# Altium PCB Neon-Demon-Earing-revE.PcbDoc
Units mm, origin at the board's own origin, x right, y up, seen from the top; angles counter-clockwise.
Board outline 8.27 x 12.31 mm, 2 copper layers (Top Layer, Bottom Layer); 8 components, 5 nets, 31 pads, 0 vias.
Unrouted connection lines stored in the file: 2.
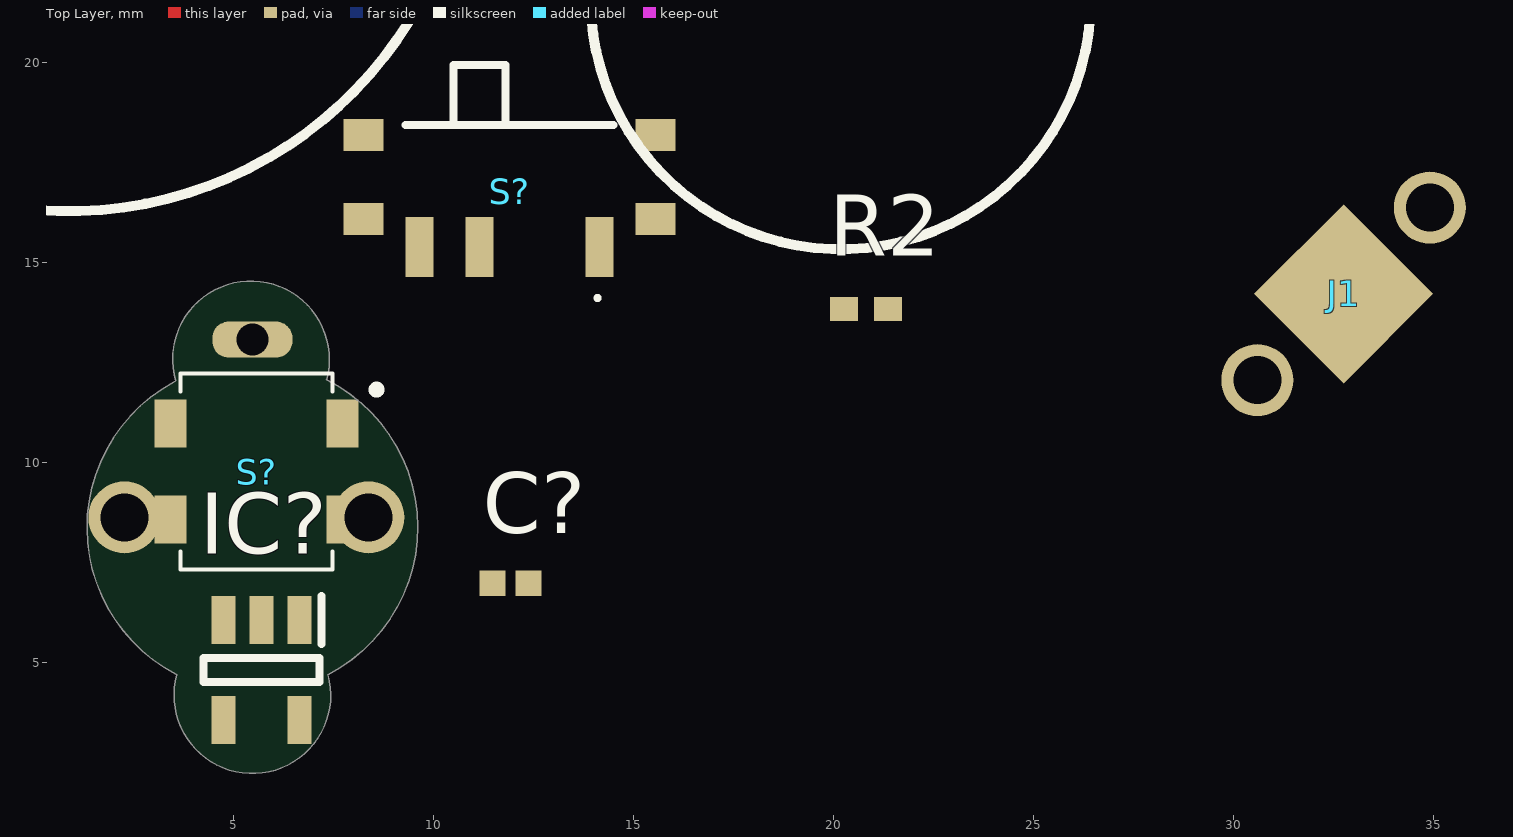
[diagram p0: Top Layer view]
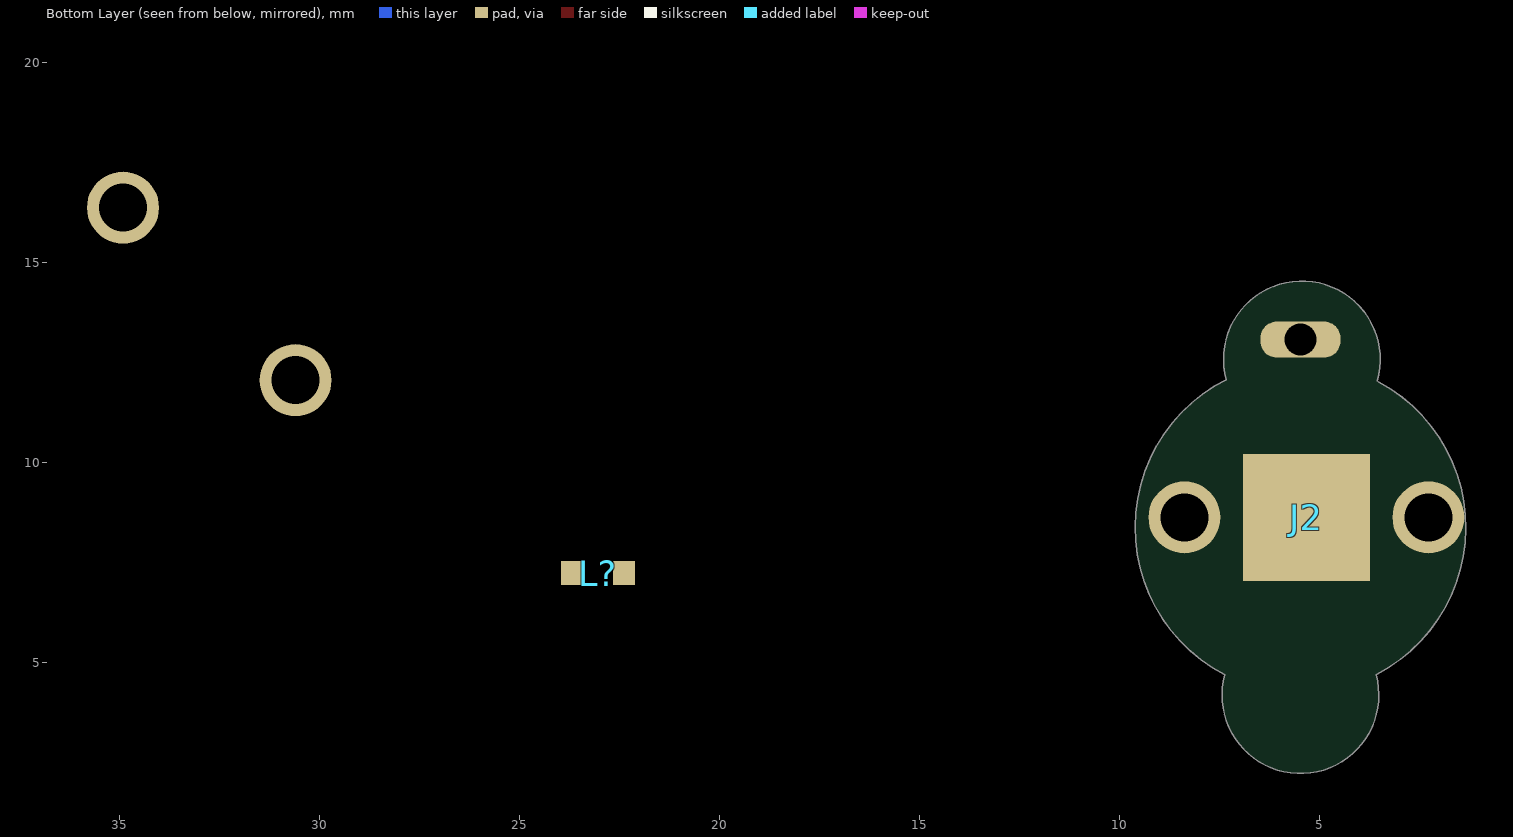
[diagram p1: Bottom Layer view, seen from below]

## Layer stack, top to bottom
Top Solder: solder mask 0.0102, Solder Resist, Dk 3.5
Top Layer: signal copper 0.0356
Dielectric 1: dielectric 0.32, FR-4, Dk 4.8
Bottom Layer: signal copper 0.0356
Bottom Solder: solder mask 0.0102, Solder Resist, Dk 3.5

## Board outline
3.571,4.716 cw(c5.484,8.382) 3.515,12.018 3.566,12.045 cw(c5.449,12.585) 7.34,12.078 7.333,12.08 cw(c5.484,8.382) 7.374,4.704 cw(c5.484,4.191)

## Design rules (kind name [scope] priority, off if disabled: settings)
BoardOutlineClearance [All] p1: gap=0.2 ignorepadtopadclearanceinfootprint=FALSE
Clearance [All] p1: gap=0.127 ignorepadtopadclearanceinfootprint=FALSE except(0.25: Arc-Hole Track-Hole SMDPad-Hole THPad-Hole Via-Hole Fill-Hole Poly-Hole Region-Hole Text-Hole)
ComponentClearance [All] p1: gap=0.127 collisioncheckmode=3 verticalgap=0.127 showdistances=TRUE
DiffPairsRouting [All] p1: maxlimit=0.254 minlimit=0.127 mostfreqgap=0.127 toplayer_minwidth=0.127 toplayer_maxwidth=25.4 toplayer_prefwidth=0.127 bottomlayer_minwidth=0.127 bottomlayer_maxwidth=25.4 bottomlayer_prefwidth=0.127 maxuncoupledlength=12.7
Height [All] p1: minheight=0 maxheight=1816.048 prefheight=12.7
HoleSize [All] p1: absolutevalues=TRUE maxlimit=6.3 minlimit=0.3 maxpercent=80.000 minpercent=20.000
HoleToHoleClearance [All] p1: gap=0.25 allowstackedmicrovias=FALSE
MinimumAnnularRing [All] p1: minimumring=0.076
MinimumSolderMaskSliver [All] p1: minsoldermaskwidth=0
PlaneClearance [All] p1: clearance=0.127
PlaneConnect PlaneConnectPowerPads [InPadClass('PowerPads')] p1: planeconnectstyle=Direct reliefexpansion=0.508 reliefentries=4 reliefconductorwidth=0.254 reliefairgap=0.254
PlaneConnect [All] p2: pad.planeconnectstyle=Relief pad.reliefexpansion=0.3 pad.reliefentries=4 pad.reliefconductorwidth=0.127 pad.reliefairgap=0.127 via.planeconnectstyle=Direct via.reliefexpansion=0.3 via.reliefentries=4 via.reliefconductorwidth=0.127 via.reliefairgap=0.127
PolygonConnect PolygonConnectPowerPads [All vs (InPadClass('PowerPads'))] p1: connectstyle=Direct reliefconductorwidth=0.254 reliefentries=4 polygonreliefangle="90 Angle" airgapwidth=0.254
PolygonConnect [All] p2: thpad.connectstyle=Relief thpad.reliefconductorwidth=0.127 thpad.reliefentries=4 thpad.polygonreliefangle="90 Angle" thpad.airgapwidth=0.127 smdpad.connectstyle=Relief smdpad.reliefconductorwidth=0.127 smdpad.reliefentries=4 smdpad.polygonreliefangle="90 Angle" smdpad.airgapwidth=0.127 via.connectstyle=Direct via.reliefconductorwidth=0.127 via.reliefentries=4 via.polygonreliefangle="90 Angle" via.airgapwidth=0.127
RoutingVias [All] p1: holewidth=0.3 width=0.6 viastyle="Through Hole" minholewidth=0.3 minwidth=0.6 maxholewidth=0.6 maxwidth=6.6
SilkToSilkClearance [All] p1: silktosilkclearance=0
SilkToSolderMaskClearance [IsPad] p1: minsilkscreentomaskgap=0.127 clearancetoexposedcopper=TRUE
SolderMaskExpansion [All] p1: expansion=0.075 istentingtop=FALSE
Width [All] p1: maxlimit=25.4 minlimit=0.127 preferedwidth=0.127 minimp=50.000000 maximp=50.000000 favimp=50.000000
20 further rules are at their usual default settings.

## Classes and differential pairs
component class Neon-Demon-Earing-revE: C? IC? J1 J2 R2 S?

## Components (designator, comment, footprint, x,y, rotation, side; value= is the part's Value field where it differs from the comment)
C? "04023A0R8CAT2A" CAPC1005X56N 11.938,6.985 r0 top
IC? "TPS613221ADBVR" SOT95P280X145-5N 5.715,4.826 r270 top
J1 "2987" BAT_2987 32.764,14.222 r45 top
J2 "2987" BAT_2987 5.334,8.636 r180 bottom
L? "MLF1005G2R2JT000" INDC1005X55N 23.05,7.245 r180 bottom
R2 "CPF0402B100KE" RESC1005X35N 20.828,13.843 r0 top
S? "CUS-12TB" CUS12TB 13.414,17.145 r180 top
S? "461011220101" 461011220101 5.588,9.779 r270 top

## Footprints (in the part's own frame and the unit in brackets; to place one, negate y for a bottom-side part, rotate by r counter-clockwise, add the part's x,y. Pads: shape width x height; smd on the part's side, far side on the other; paste and mask are expansions set on the pad)
461011220101 [mm]
  rect 1.2x0.8 smd: 1(-1.2,2.15) 2(1.2,2.15) 3(-1.2,-2.15) 4(1.2,-2.15)
  silkscreen extent -2.45,-1.9 2.45,3.05, body extent -2.45,-2.45 2.45,2.25, height 3.8
BAT_2987 [mm]
  rect 3.17x3.17 smd paste-3: N(0,0)
  round 1.8 hole 1.2: P1(-3.05,0) P2(3.05,0)
  body extent -3.43,-3.18 3.43,2.79, height 2.79
CAPC1005X56N [mm]
  rect 0.65x0.64 smd: 1(-0.45,0) 2(0.45,0)
  body extent -0.5,-0.25 0.5,0.25, height 0.56
CUS12TB [mm]
  rect 0.7x1.5 smd: 1(-0.75,1.75) 2(2.25,1.75) 3(3.75,1.75)
  round 0.45 hole 0.9 unplated: MH1(0,0) MH2(3,0)
  rect 1x0.8 smd: MP1(-2.15,1.05) MP2(5.15,1.05) MP3(-2.15,-1.05) MP4(5.15,-1.05)
  silkscreen extent -1.1,-2.8 4.1,3.08, body extent -2.32,-2.76 5.36,2.23, height 1.47
INDC1005X55N [mm]
  rect 0.55x0.6 smd: 1(-0.65,0) 2(0.65,0)
  body extent -0.5,-0.25 0.5,0.25, height 0.55
RESC1005X35N [mm]
  rect 0.7x0.6 smd: 1(-0.55,0) 2(0.55,0)
  body extent -0.5,-0.25 0.5,0.25, height 0.35
SOT95P280X145-5N [mm]
  rect 1.2x0.6 smd: 1(-1.25,0.95) 2(-1.25,0) 3(-1.25,-0.95) 4(1.25,-0.95) 5(1.25,0.95)
  silkscreen extent -1.85,-1.45 0.3,1.5, body extent -1.4,-1.45 1.4,1.45, height 1.2

## Part data
C?: "Capacitor", Manufacturer_Name=AVX, Mouser Part Number=581-04023A0R8CAT2A, Datasheet Link=http://www.mouser.com/catalog/supplier/library/pdf/AVXSurfaceMountCeramic.pdf, Height=0.56mm, Manufacturer_Part_Number=04023A0R8CAT2A, Mouser Price/Stock=https://www.mouser.co.uk/ProductDetail/AVX/04023A0R8CAT2A?qs=ZwvTZoB9SO%252BVBOZ%252BNMbjzw%3D%3D
IC?: "Power Supply", Manufacturer_Name="Texas Instruments", Mouser Part Number=595-TPS613221ADBVR, Arrow Part Number=TPS613221ADBVR, Arrow Price/Stock=https://www.arrow.com/en/products/tps613221adbvr/texas-instruments?region=nac, Datasheet Link=http://www.ti.com/lit/gpn/tps61322, Height=1.45mm, Manufacturer_Part_Number=TPS613221ADBVR, Mouser Price/Stock=https://www.mouser.co.uk/ProductDetail/Texas-Instruments/TPS613221ADBVR?qs=W0yvOO0ixfEzYGaKZaJgrw%3D%3D
J1 J2: Package=None, Availability=Unavailable, MP=2987, Price=None
L?: "Inductor", Manufacturer_Name=TDK-Lambda, Mouser Part Number=810-MLF1005G2R2JT000, Datasheet Link=https://product.tdk.com/system/files/dam/doc/product/inductor/inductor/smd/catalog/inductor_commercial_standard_mlf1005_en.pdf, Height=0.55mm, Manufacturer_Part_Number=MLF1005G2R2JT000, Mouser Price/Stock=https://www.mouser.co.uk/ProductDetail/TDK/MLF1005G2R2JT000?qs=%2FPzWLGNeQ%252BhXmsvIBrs2gg%3D%3D
R2: "Resistor", Manufacturer_Name="TE Connectivity", Mouser Part Number=279-CPF0402B100KE, Arrow Part Number=CPF0402B100KE, Arrow Price/Stock=https://www.arrow.com/en/products/cpf0402b100ke/te-connectivity?region=nac, Datasheet Link=http://www.farnell.com/datasheets/1786775.pdf, Height=0.35mm, Manufacturer_Part_Number=CPF0402B100KE, Mouser Price/Stock=https://www.mouser.co.uk/ProductDetail/TE-Connectivity-Holsworthy/CPF0402B100KE?qs=CXI0wBT1M2h4W2Gm72yIGA%3D%3D
S?: "Switch", Manufacturer_Name="Nidec Copal", Mouser Part Number=229-CUS-12TB, Datasheet Link=https://www.nidec-copal-electronics.com/e/catalog/switch/cus.pdf, Height=1.4mm, Manufacturer_Part_Number=CUS-12TB, Mouser Price/Stock=https://www.mouser.co.uk/ProductDetail/Nidec-Components/CUS-12TB?qs=XeJtXLiO41Q1Ug1dC3Bq%2FQ%3D%3D
S?: "Switch", Manufacturer_Name="Wurth Elektronik", Mouser Part Number=710-461011220101, Datasheet Link=https://www.we-online.com/catalog/datasheet/461011220101.pdf, Height=3.8mm, Manufacturer_Part_Number=461011220101, Mouser Price/Stock=https://www.mouser.co.uk/ProductDetail/Wurth-Elektronik/461011220101?qs=wr8lucFkNMVAdVKd0FklHQ%3D%3D

## Free pads (board coordinates)
  rrect90% 2x0.9 hole 0.8: 2(5.484,13.081)

## Nets (pads, with @x,y where several pads share a name; then routed paths per layer and width w, separated by ;. In a path a pad name is that pad's centre, name@x,y a point inside that pad or via, vN(x,y) a via of type N, cw(c..) or ccw(c..) an arc to the next point about the centre after c; other vN are vias at no path point)
3V3: R2.2
GND: J1.N
LED_A: R2.1
NetJ2_P1: J2.P1 J2.P2
VBAT_RAW: J1.P1 J1.P2
pads on no net: C?.1 C?.2 IC?.1 IC?.2 IC?.3 IC?.4 IC?.5 J2.N L?.1 L?.2 S?.1 S?.2 S?.3 S?.4 S?.MH1 S?.MH2 S?.MP1 S?.MP2 S?.MP3 S?.MP4

## Silkscreen, mask and mechanical layers (free items; w line width, h text height)
Top Overlay:
  circle w0.254: c20.193,21.59 r6.25
  circle w0.254: c0.889,26.289 r10
Board:
  lines w0.254: 3.515,12.018 ccw(c5.484,8.382) 3.571,4.716 ; 3.566,12.045 cw(c5.449,12.585) 7.34,12.078 ; 3.594,4.704 ccw(c5.484,4.191) 7.374,4.704 ccw(c5.484,8.382) 7.333,12.08 ; 11.453,8.255 ccw(c11.453,8.382) 11.58,8.382
Mechanical 7:
  lines w0.254: 0.404,8.382 11.453,8.382 ; 5.484,2.54 5.484,13.589